# Altium PCB EDR.PcbDoc (part 1 of 2)
Units mm, origin at the board's own origin, x right, y up, seen from the top; angles counter-clockwise.
Board outline 98.58 x 73.91 mm, 2 copper layers (Top Layer, Bottom Layer); 162 components, 102 nets, 583 pads, 56 vias.
Unrouted connection lines stored in the file: 215.
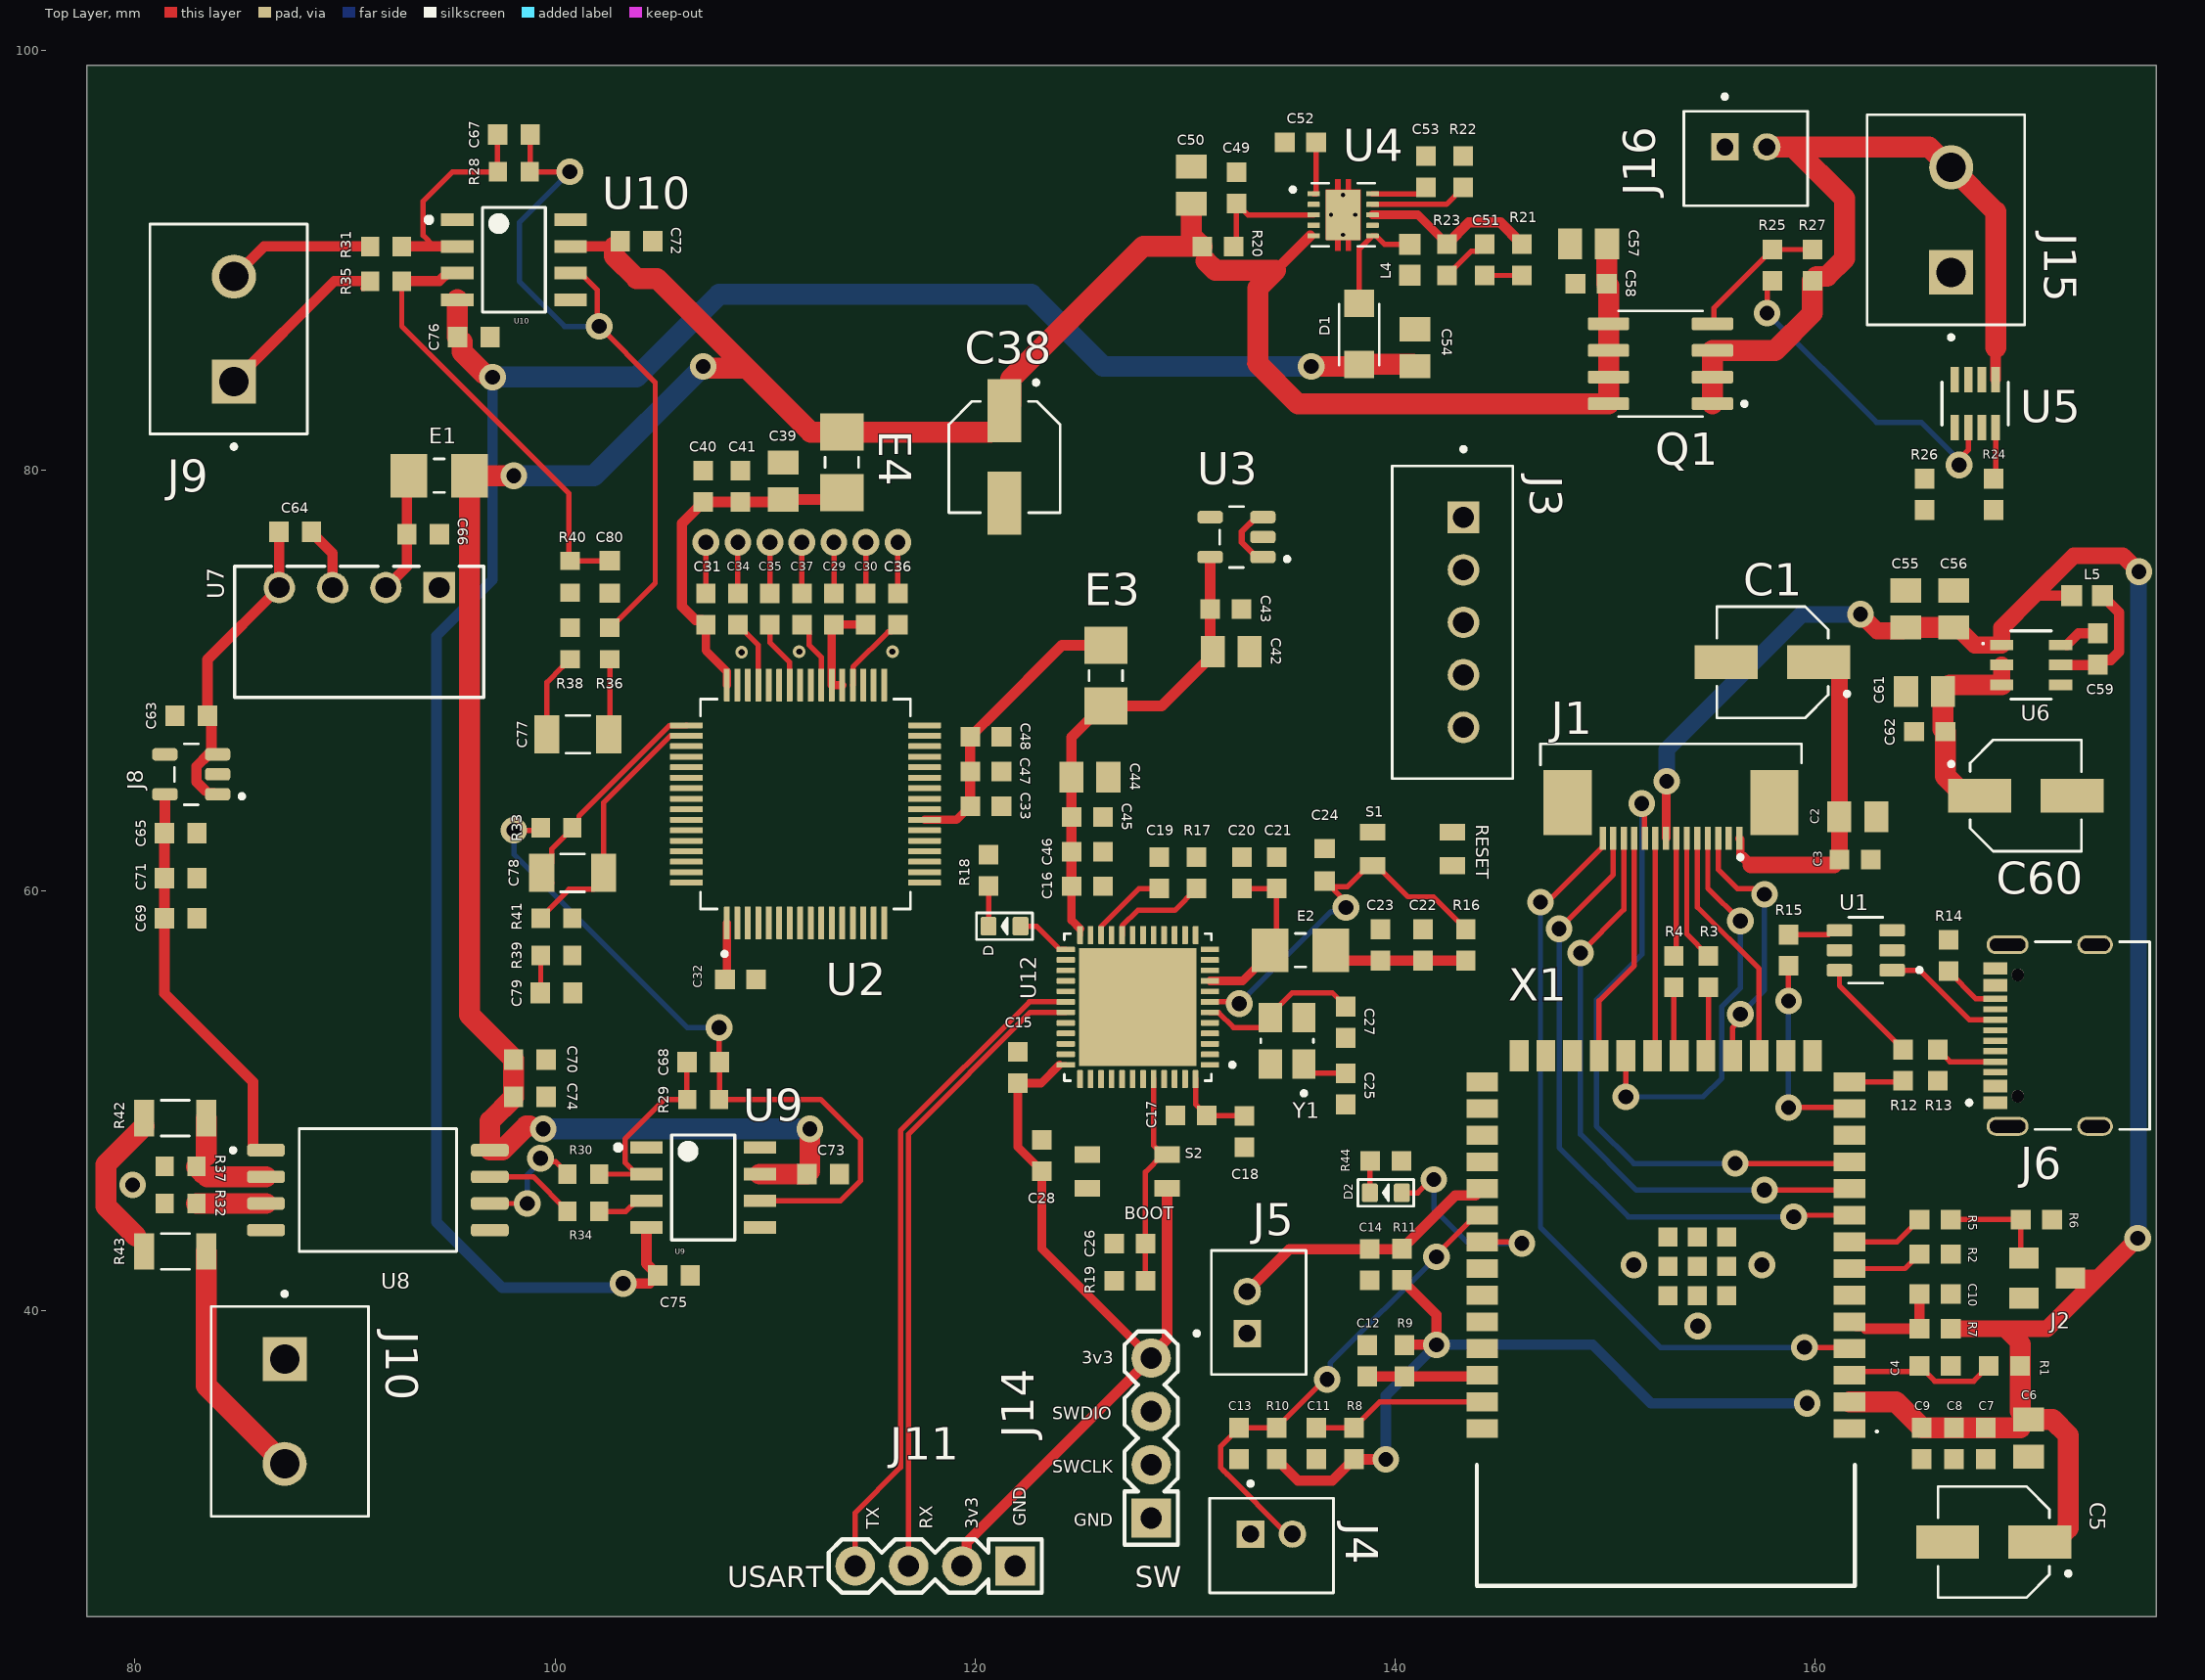
[diagram p0: Top Layer view]
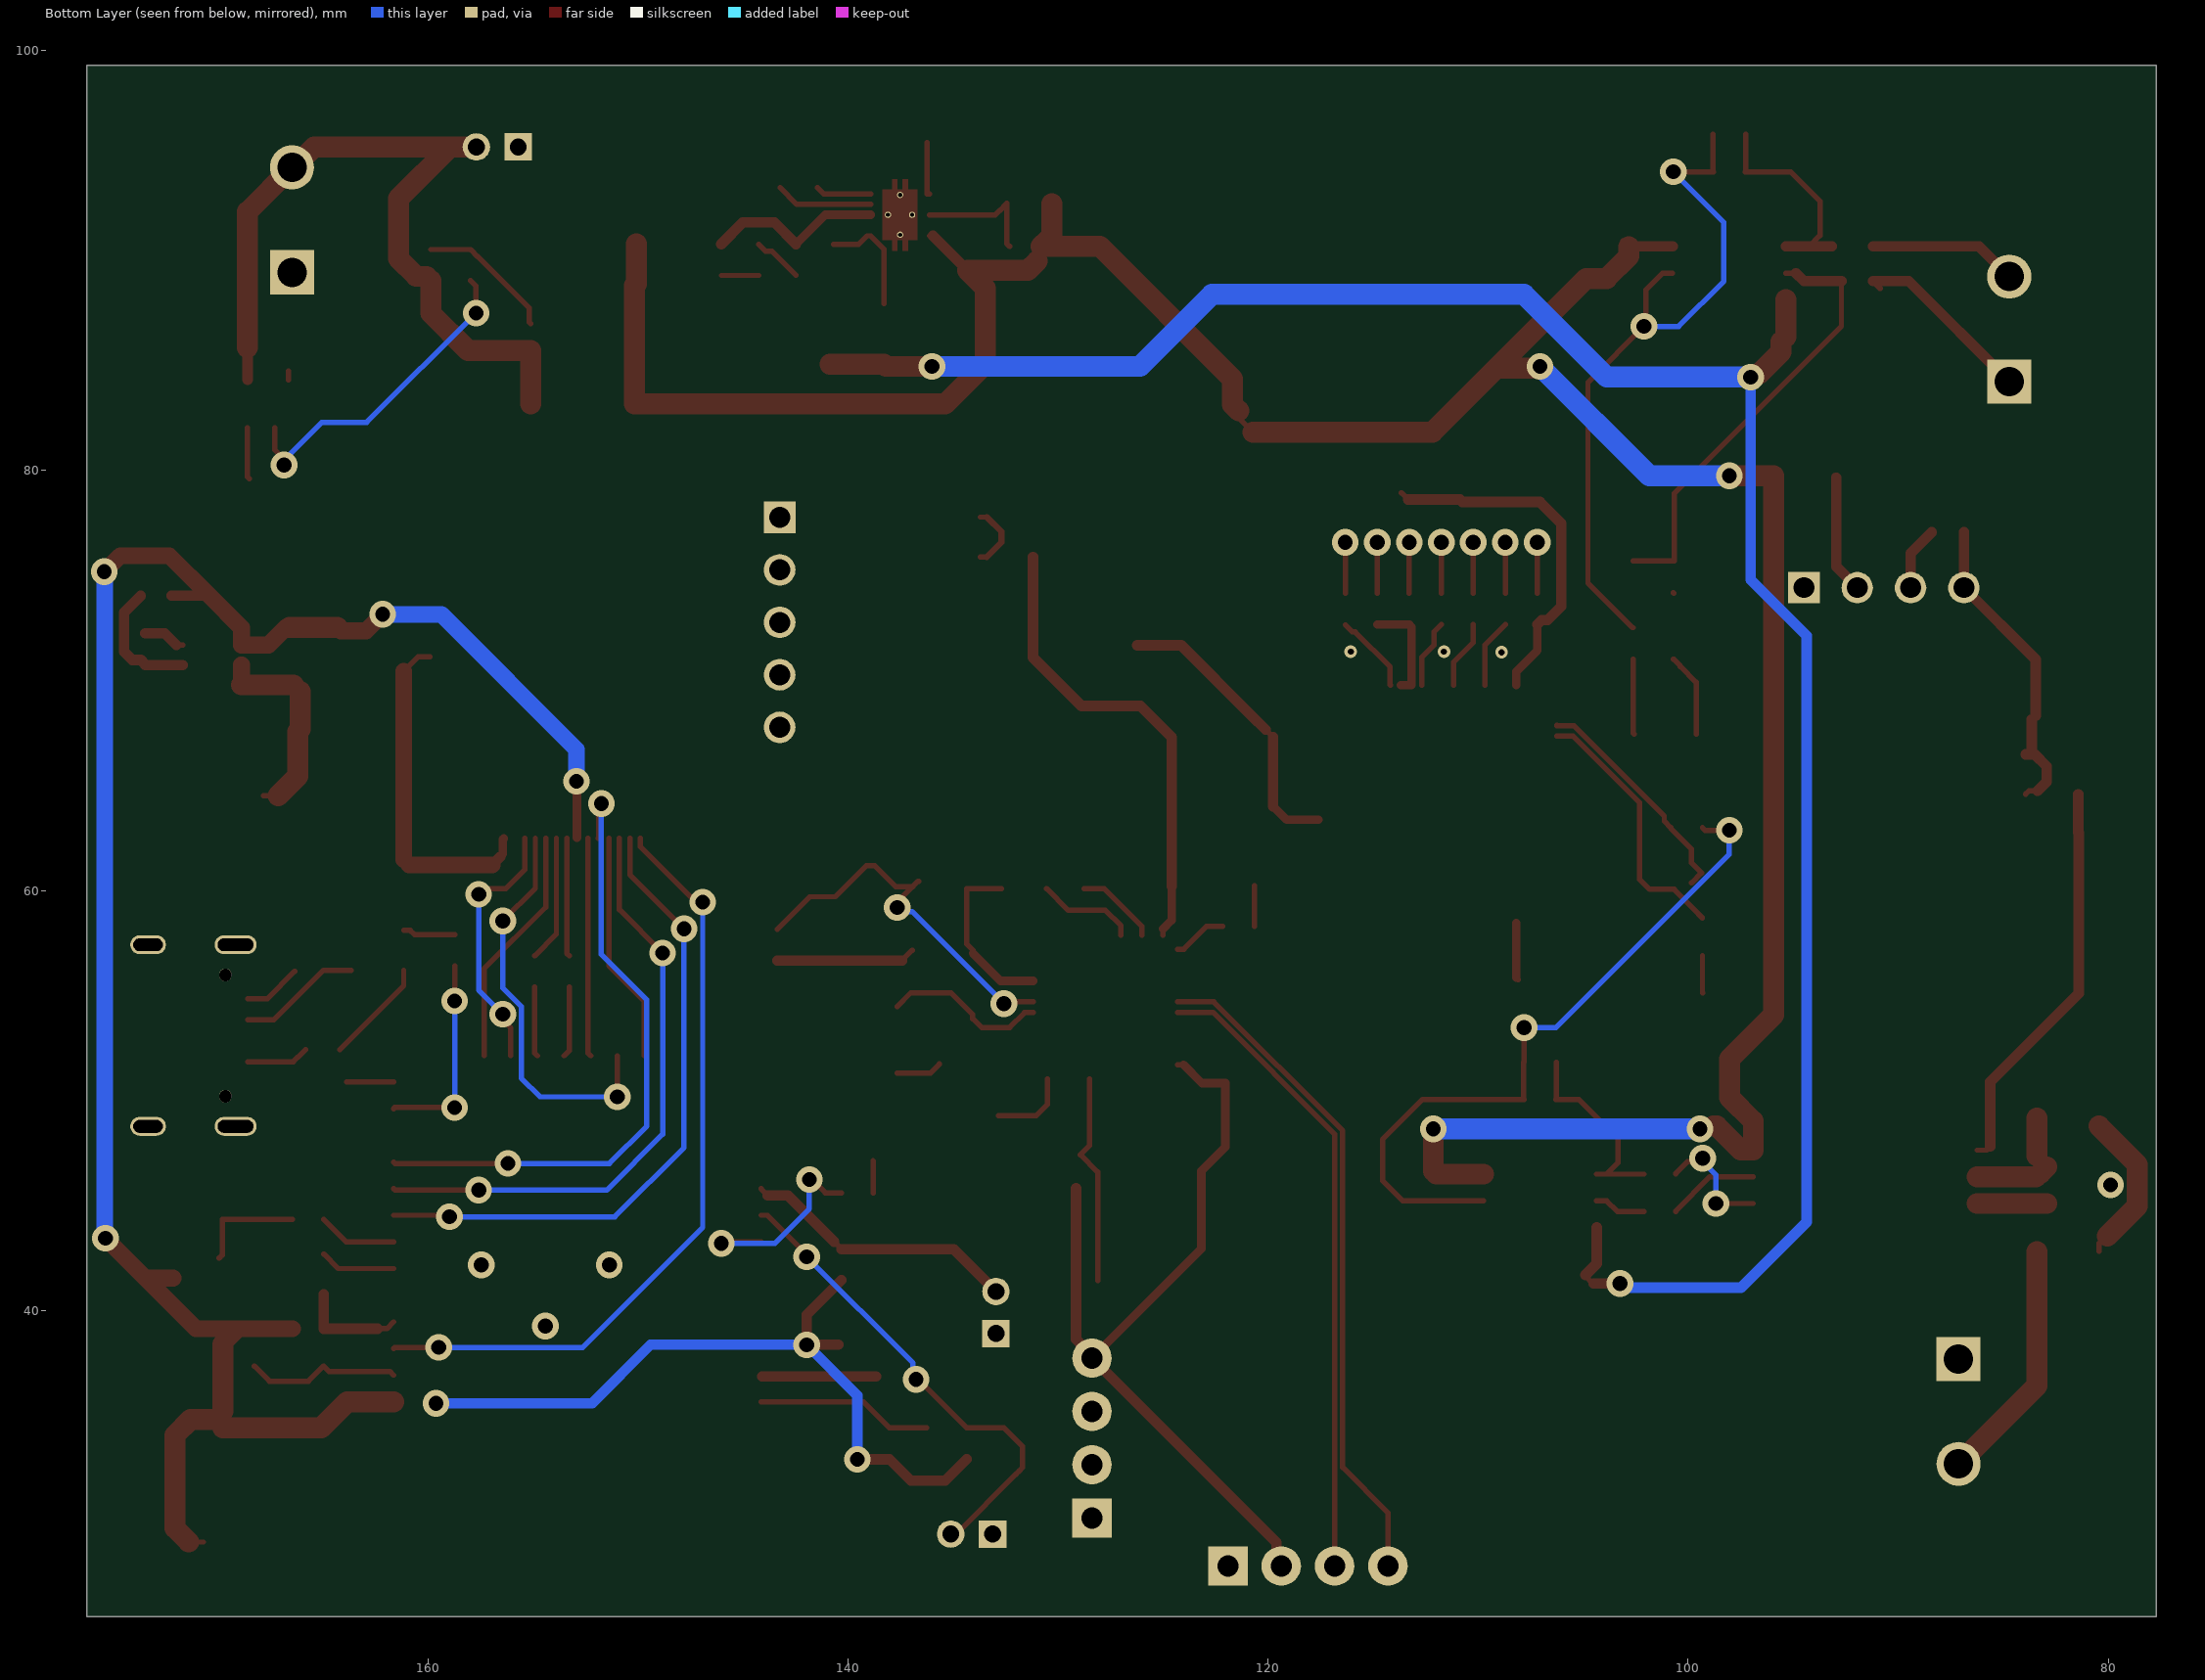
[diagram p1: Bottom Layer view, seen from below]
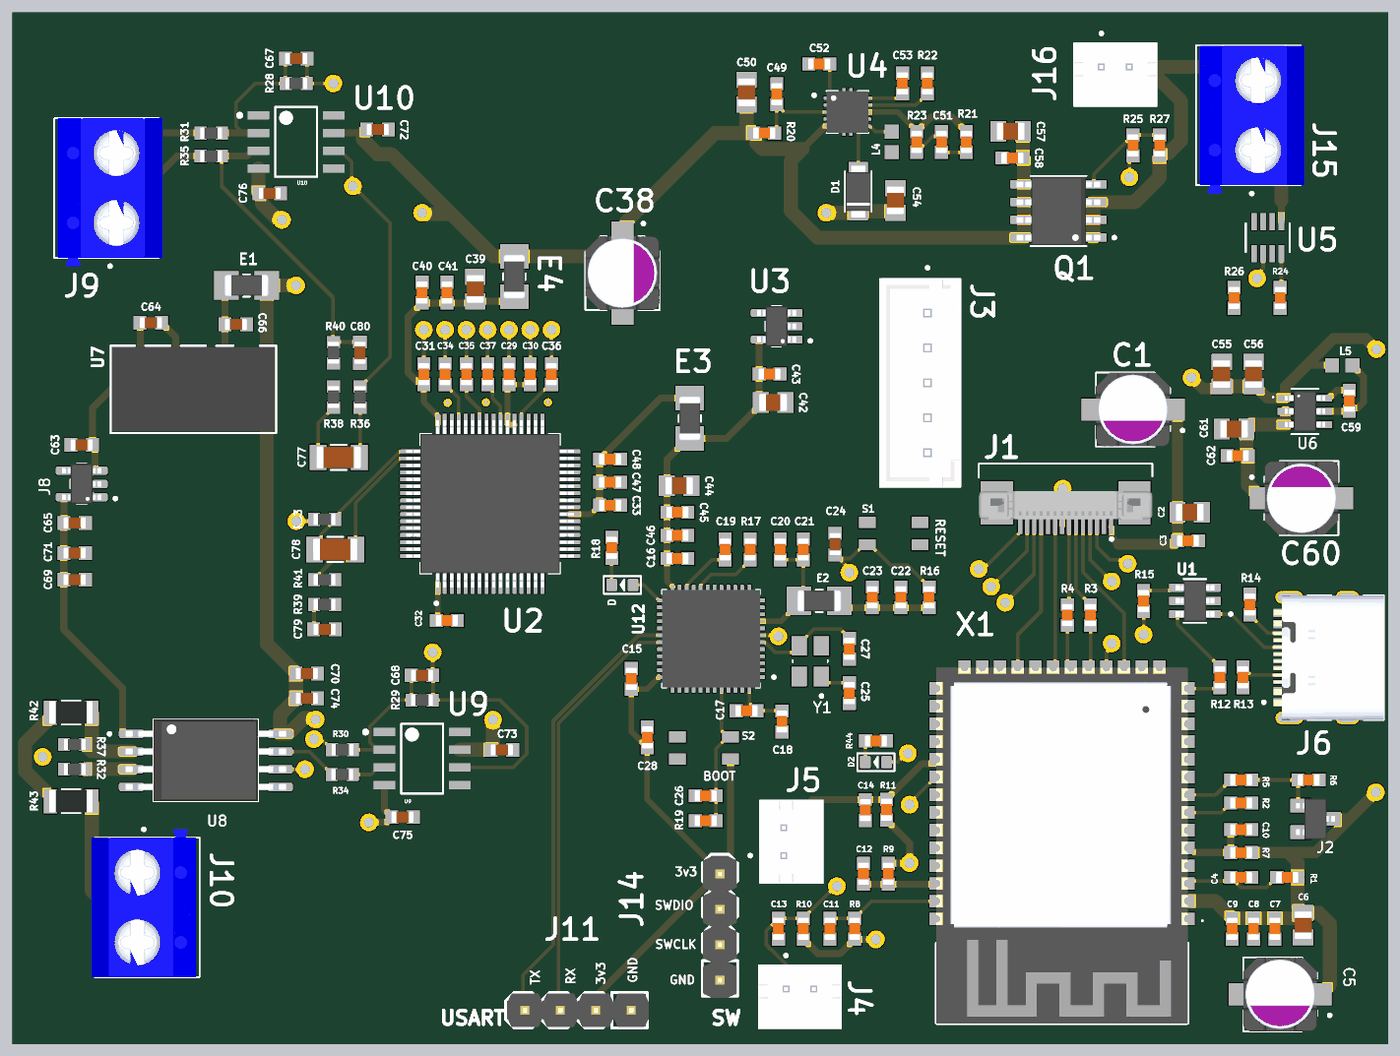
[diagram p3: 3D render of the assembled board from above, using the file's embedded part models]

## Layer stack, top to bottom
Top Solder: solder mask 0.0102, Solder Resist, Dk 3.5
Top Layer: signal copper 0.0356
Dielectric 1: dielectric 0.32, FR-4, Dk 4.8
Bottom Layer: signal copper 0.0356
Bottom Solder: solder mask 0.0102, Solder Resist, Dk 3.5

## Board outline
77.699,25.4 176.276,25.4 176.276,99.314 77.699,99.314

## Design rules (kind name [scope] priority, off if disabled: settings)
BoardOutlineClearance [All] p1: gap=0.2 ignorepadtopadclearanceinfootprint=FALSE
Clearance [All] p1: gap=0.127 ignorepadtopadclearanceinfootprint=FALSE except(0.25: Arc-Hole Track-Hole SMDPad-Hole THPad-Hole Via-Hole Fill-Hole Poly-Hole Region-Hole Text-Hole)
ComponentClearance [All] p1: gap=0.127 collisioncheckmode=3 verticalgap=0.127 showdistances=TRUE
DiffPairsRouting [All] p1: maxlimit=0.254 minlimit=0.127 mostfreqgap=0.127 toplayer_minwidth=0.127 toplayer_maxwidth=25.4 toplayer_prefwidth=0.127 bottomlayer_minwidth=0.127 bottomlayer_maxwidth=25.4 bottomlayer_prefwidth=0.127 maxuncoupledlength=12.7
Height [All] p1: minheight=0 maxheight=1816.048 prefheight=12.7
HoleSize [All] p1: absolutevalues=TRUE maxlimit=6.3 minlimit=0.3 maxpercent=80.000 minpercent=20.000
HoleToHoleClearance [All] p1: gap=0.25 allowstackedmicrovias=FALSE
MinimumAnnularRing [All] p1: minimumring=0.076
MinimumSolderMaskSliver [All] p1: minsoldermaskwidth=0
PlaneClearance [All] p1: clearance=0.127
PlaneConnect PlaneConnectPowerPads [InPadClass('PowerPads')] p1: planeconnectstyle=Direct reliefexpansion=0.508 reliefentries=4 reliefconductorwidth=0.254 reliefairgap=0.254
PlaneConnect [All] p2: pad.planeconnectstyle=Relief pad.reliefexpansion=0.3 pad.reliefentries=4 pad.reliefconductorwidth=0.127 pad.reliefairgap=0.127 via.planeconnectstyle=Direct via.reliefexpansion=0.3 via.reliefentries=4 via.reliefconductorwidth=0.127 via.reliefairgap=0.127
PolygonConnect PolygonConnectPowerPads [All vs (InPadClass('PowerPads'))] p1: connectstyle=Direct reliefconductorwidth=0.254 reliefentries=4 polygonreliefangle="90 Angle" airgapwidth=0.254
PolygonConnect [All] p2: thpad.connectstyle=Relief thpad.reliefconductorwidth=0.127 thpad.reliefentries=4 thpad.polygonreliefangle="90 Angle" thpad.airgapwidth=0.127 smdpad.connectstyle=Relief smdpad.reliefconductorwidth=0.127 smdpad.reliefentries=4 smdpad.polygonreliefangle="90 Angle" smdpad.airgapwidth=0.127 via.connectstyle=Direct via.reliefconductorwidth=0.127 via.reliefentries=4 via.polygonreliefangle="90 Angle" via.airgapwidth=0.127
RoutingVias [All] p1: holewidth=0.3 width=0.6 viastyle="Through Hole" minholewidth=0.3 minwidth=0.6 maxholewidth=0.6 maxwidth=6.6
SilkToSilkClearance [All] p1: silktosilkclearance=0
SilkToSolderMaskClearance [IsPad] p1: minsilkscreentomaskgap=0.127 clearancetoexposedcopper=TRUE
SolderMaskExpansion [All] p1: expansion=0.075 istentingtop=FALSE
Width [All] p1: maxlimit=25.4 minlimit=0.127 preferedwidth=0.254 minimp=50.000000 maximp=50.000000 favimp=50.000000
20 further rules are at their usual default settings.

## Classes and differential pairs
component class U_STM32: C15 C16 C17 C18 C19 C20 C21 C22 C23 C24 C25 C26 C27 C28 D E2 J11 J14 R16 R17 R18 R19 S1 S2 U12 Y1
component class U_Sheet1: C63 C64 C65 C66 C67 C68 C69 C70 C71 C72 C73 C74 C75 C76 C77 C78 C79 C80 E1 J8 J9 J10 R28 R29 R30 R31 R32 R33 R34 R35 R36 R37 R38 R39 R40 R41 R42 R43 U7 U8 U9 U10
component class U_PowerSupply: C38 C39 C40 C41 C42 C43 C44 C45 C46 C47 C48 C49 C50 C51 C52 C53 C54 C55 C56 C57 C58 C59 C60 C61 C62 D1 E3 E4 J15 J16 L4 L5 Q1 R20 R21 R22 R23 R24 R25 R26 R27 U3 U4 U5 U6
component class U_ESP32: C1 C2 C3 C4 C5 C6 C7 C8 C9 C10 C11 C12 C13 C14 D2 J1 J2 J3 J4 J5 J6 R1 R2 R3 R4 R5 R6 R7 R8 R9 R10 R11 R12 R13 R14 R15 R44 U1 X1
component class U_ADS8588: C29 C30 C31 C32 C33 C34 C35 C36 C37 U2

## Components (designator, comment, footprint, x,y, rotation, side; value= is the part's Value field where it differs from the comment)
C1 "100 uF" "100 uF" 157.988,70.866 r180 top
C2 "C2012X7R1H104K085AA" CAPC2012X100N 162.052,63.5 r180 top
C3 "CAP603" CAP603 161.925,61.468 r0 top
C4 "CAP603" CAP603 165.735,37.338 r0 top
C5 "100 uF" "100 uF" 168.529,28.956 r180 top
C6 "C2012X7R1H104K085AA" CAPC2012X100N 170.18,33.909 r90 top
C7 "CAP603" CAP603 168.148,33.655 r90 top
C8 "CAP603" CAP603 166.624,33.655 r90 top
C9 "CAP603" CAP603 165.1,33.655 r90 top
C10 "CAP603" CAP603 165.735,40.767 r0 top
C11 "CAP603" CAP603 136.271,33.655 r270 top
C12 "CAP603" CAP603 138.684,37.592 r90 top
C13 "CAP603" CAP603 132.588,33.655 r90 top
C14 "CAP603" CAP603 138.811,42.164 r90 top
C15 "CAP603" CAP603 122.047,51.562 r90 top
C16 "CAP603" CAP603 125.349,60.198 r0 top
C17 "CAP603" CAP603 130.302,49.276 r180 top
C18 "CAP603" CAP603 132.842,48.514 r270 top
C19 "CAP603" CAP603 128.778,60.833 r90 top
C20 "CAP603" CAP603 132.715,60.833 r270 top
C21 "CAP603" CAP603 134.366,60.833 r270 top
C22 "CAP603" CAP603 141.351,57.404 r270 top
C23 "CAP603" CAP603 139.319,57.404 r270 top
C24 "0.1u" 0603CAPACITOR 136.652,61.214 r270 top
C25 "CAP603" CAP603 137.668,50.546 r90 top
C26 "CAP603" CAP603 127.381,43.18 r0 top
C27 "CAP603" CAP603 137.668,53.721 r90 top
C28 "CAP603" CAP603 123.19,47.371 r90 top
C29 "CAP603" CAP603 113.284,73.406 r90 top
C30 "CAP603" CAP603 114.808,73.406 r90 top
C31 "CAP603" CAP603 107.188,73.406 r90 top
C32 "CAP603" CAP603 108.839,55.753 r0 top
C33 "CAP603" CAP603 120.523,64.008 r0 top
C34 "CAP603" CAP603 108.712,73.406 r270 top
C35 "CAP603" CAP603 110.236,73.406 r270 top
C36 "CAP603" CAP603 116.332,73.406 r270 top
C37 "CAP603" CAP603 111.76,73.406 r270 top
C38 "100 uF" "100 uF" 121.412,80.645 r270 top
C39 "C2012X7R1H104K085AA" CAPC2012X100N 110.871,79.502 r270 top
C40 "CAP603" CAP603 107.061,79.248 r270 top
C41 "CAP603" CAP603 108.839,79.248 r270 top
C42 "C2012X7R1H104K085AA" CAPC2012X100N 132.207,71.374 r180 top
C43 "CAP603" CAP603 131.953,73.406 r180 top
C44 "C2012X7R1H104K085AA" CAPC2012X100N 125.476,65.405 r180 top
C45 "CAP603" CAP603 125.349,63.5 r180 top
C46 "CAP603" CAP603 125.349,61.849 r180 top
C47 "CAP603" CAP603 120.523,65.659 r180 top
C48 "CAP603" CAP603 120.523,67.31 r180 top
C49 "CAP603" CAP603 132.461,93.472 r90 top
C50 "C2012X7R1H104K085AA" CAPC2012X100N 130.302,93.599 r90 top
C51 "CAP603" CAP603 144.272,90.043 r270 top
C52 "CAP603" CAP603 135.509,95.631 r180 top
C53 "CAP603" CAP603 141.478,94.234 r270 top
C54 "C2012X7R1H104K085AA" CAPC2012X100N 140.97,85.852 r270 top
C55 "C2012X7R1H104K085AA" CAPC2012X100N 164.338,73.406 r90 top
C56 "C2012X7R1H104K085AA" CAPC2012X100N 166.624,73.406 r90 top
C57 "C2012X7R1H104K085AA" CAPC2012X100N 149.225,90.805 r0 top
C58 "CAP603" CAP603 149.352,88.9 r0 top
C59 "CAP603" CAP603 173.482,71.501 r90 top
C60 "100 uF" "100 uF" 170.053,64.516 r0 top
C61 "C2012X7R1H104K085AA" CAPC2012X100N 165.227,69.469 r0 top
C62 "CAP603" CAP603 165.481,67.564 r0 top
C63 "1u" 0603CAPACITOR 82.677,68.326 r0 top
C64 "10u" 0603CAPACITOR 87.63,77.089 r0 top
C65 "1u" 0603CAPACITOR 82.169,62.738 r180 top
C66 "4.7u" 0603CAPACITOR 93.726,76.962 r0 top
C67 "1.5n" 0603CAPACITOR 98.044,96.012 r0 top
C68 "2.2n" 0603CAPACITOR 107.061,51.816 r0 top
C69 "0.1u" 0603CAPACITOR 82.169,58.674 r180 top
C70 "1u" 0603CAPACITOR 98.806,51.943 r0 top
C71 "1u" 0603CAPACITOR 82.169,60.579 r180 top
C72 "0.1u" 0603CAPACITOR 103.886,90.932 r0 top
C73 "0.1u" 0603CAPACITOR 112.776,46.482 r0 top
C74 "0.1u" 0603CAPACITOR 98.806,50.165 r0 top
C75 "0.1u" 0603CAPACITOR 105.664,41.656 r0 top
C76 "0.1u" 0603CAPACITOR 96.139,86.36 r0 top
C77 "33n" CAPC1206 101.092,67.437 r0 top
C78 "33n" CAPC1206 100.838,60.833 r180 top
C79 "2.2n" 0603CAPACITOR 100.076,55.118 r180 top
C80 "1.5n" 0603CAPACITOR 102.616,74.93 r90 top